# Altium PCB Port Solar Panel 2U.PcbDoc
Units mm, origin at the board's own origin, x right, y up, seen from the top; angles counter-clockwise.
Board outline 214 x 87 mm, 2 copper layers (Top Layer, Bottom Layer), stack 1.649 mm thick; 65 components, 44 nets, 230 pads, 774 vias.
Unrouted connection lines stored in the file: 33.
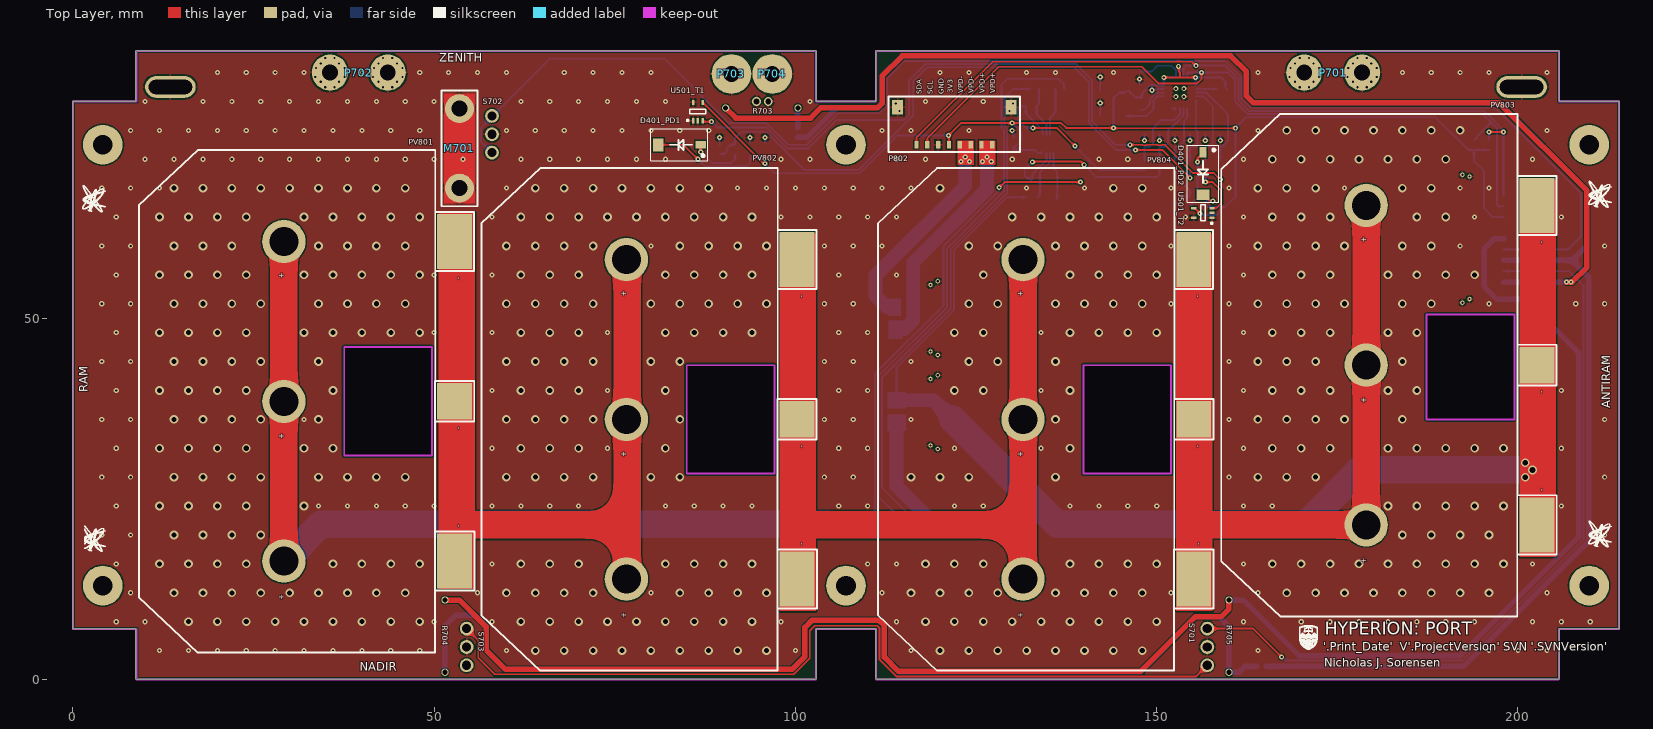
[diagram p0: Top Layer view]
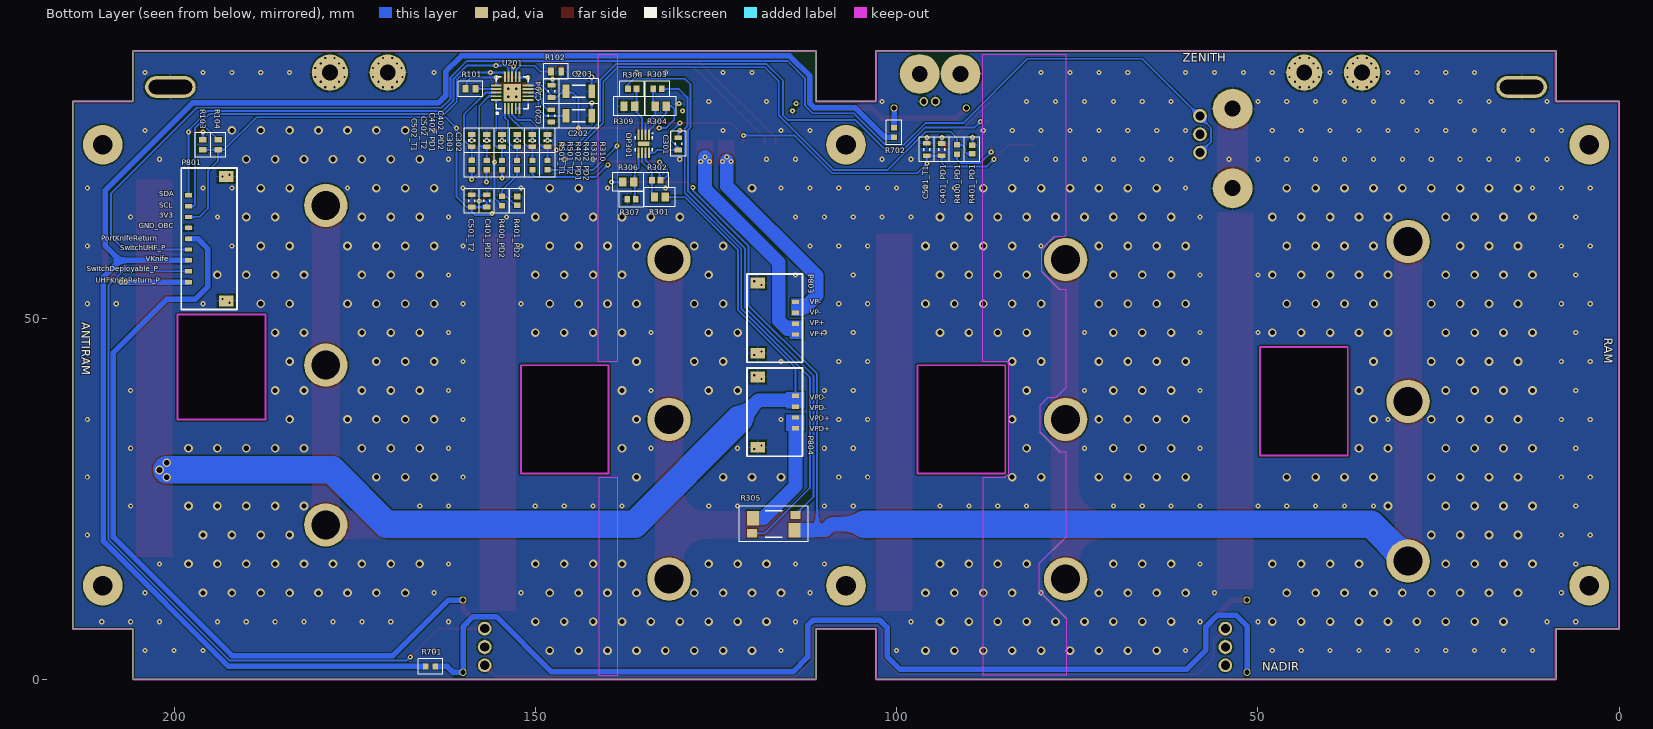
[diagram p1: Bottom Layer view, seen from below]

## Layer stack, top to bottom
Top Solder: solder mask 0.01, Solder Resist, Dk 3.5
Top Layer: signal copper 0.07
Dielectric 1: dielectric 1.509, FR-4, Dk 4.8
Bottom Layer: signal copper 0.07
Bottom Solder: solder mask 0.01, Solder Resist, Dk 3.5

## Board outline
0,7 8.7,7 8.7,0 102.85,0 102.85,7 111.15,7 111.15,0 205.7,0 205.7,7 214,7 214,80 205.697,80 205.697,87 111.15,87 111.15,80 102.85,80 102.85,87 8.7,87 8.7,80 0,80
cut-out: 49.7,46 37.55,46 37.55,31 49.7,31
cut-out: 199.5,50.5 187.35,50.5 187.35,36 199.5,36
cut-out: 152,43.5 139.85,43.5 139.85,28.5 152,28.5
cut-out: 97.1,43.5 84.95,43.5 84.95,28.5 97.1,28.5

## Design rules (kind name [scope] priority, off if disabled: settings)
BoardOutlineClearance [All] p1: gap=0.254 ignorepadtopadclearanceinfootprint=FALSE
Clearance Clearance_1 [(InComponent('P701') OR InComponent('P702')) AND InNet('V-') vs InNet('GND')] p1: gap=0.5 ignorepadtopadclearanceinfootprint=FALSE
Clearance [All] p2: gap=0.178 ignorepadtopadclearanceinfootprint=FALSE
HoleSize [All] p1: absolutevalues=TRUE maxlimit=6 minlimit=0.3 maxpercent=80.000 minpercent=20.000
MinimumAnnularRing [All] p1: minimumring=0.15
MinimumSolderMaskSliver [All] p1: minsoldermaskwidth=0.127
NetAntennae [NOT(InNet('VIN6'))] p1: netantennaetolerance=0
PolygonConnect [All] p1: connectstyle=Relief reliefconductorwidth=0.254 reliefentries=4 polygonreliefangle="90 Angle" airgapwidth=0.254
RoutingVias [All] p1: holewidth=0.3 width=0.7 viastyle="Through Hole" minholewidth=0.2 minwidth=0.4 maxholewidth=6 maxwidth=7 useviatemplates=TRUE viatemplateguid#1={2C96C0E9-6127-4474-AC62-79D40432663E} viatemplatename#1=v70h30m0mx0
SilkToSilkClearance [All] p1: silktosilkclearance=0
SilkToSolderMaskClearance [IsPad] p1: minsilkscreentomaskgap=0.025 clearancetoexposedcopper=TRUE
SolderMaskExpansion [All] p1: expansion=0.076 istentingtop=FALSE
Width [All] p1: maxlimit=10.16 minlimit=0.203 preferedwidth=0.254
25 further rules are at their usual default settings.

## Classes and differential pairs
channel class Temp_Sensor: T1 T2 T3
channel class Photodiode_Sun_Sensor: PD1 PD2 PD3
component class T2: C501_T2 C502_T2 R501_T2 U501_T2
component class T1: C501_T1 C502_T1 R501_T1 U501_T1
component class "Port 2U": R101 R102 R103 R104
component class "Port Headers": P801 P802 P803 P804
component class PD2: C401_PD2 C402_PD2 D401_PD2 R400_PD2 R401_PD2 R402_PD2
component class PD1: C401_PD1 C402_PD1 D401_PD1 R400_PD1 R401_PD1 R402_PD1
component class "Mechanical Interfacing": M701 P701 P702 P703 P704 R701 R702 R703 R704 R705 S701 S702 S703
component class "Current and Voltage Sensors": C301 C302 C303 OP301 R301 R302 R303 R304 R305 R306 R307 R308 R309 R310 R311
component class "Photovoltaic Array": PV801 PV802 PV803 PV804 Q101
net class VIN[0..7]: VIN0 VIN1 VIN2 VIN3 VIN4 VIN5 VIN6
component class "U_AD7291 12-Bit I2C ADC": C201 C202 C203 C204 U201

## Components (designator, comment, footprint, x,y, rotation, side; value= is the part's Value field where it differs from the comment)
C201 "Cap" TDK-CGA3E 147.766,78.006 r90 bottom value=1µF
C202 "Cap" TDK-CGA5L 143.966,78.006 r180 bottom value=10µF
C203 "Cap" TDK-CGA5L 143.966,81.406 r180 bottom value=10µF
C204 "Cap" TDK-CGA3E 147.756,81.406 r270 bottom value=0.1µF
C301 "Cap" TDK-CGA3E 130.188,74.141 r270 bottom value=0.1µF
C302 "Cap" TDK-CGA3E 148.309,74.58 r270 bottom value=680pF
C303 "Cap" TDK-CGA3E 150.409,74.58 r270 bottom value=680pF
C401_PD1 "Cap" TDK-CGA3E 93.758,73.341 r270 bottom value=0.1µF (schematic designator C401)
C401_PD2 "Cap" TDK-CGA3E 156.724,66.235 r270 bottom value=0.1µF (schematic designator C401)
C402_PD1 "Cap" TDK-CGA3E 154.609,74.58 r270 bottom value=680pF (schematic designator C402)
C402_PD2 "Cap" TDK-CGA3E 152.509,74.58 r270 bottom value=680pF (schematic designator C402)
C501_T1 "Cap" TDK-CGA3E 95.846,73.352 r270 bottom value=0.1µF (schematic designator C501)
C501_T2 "Cap" TDK-CGA3E 158.812,66.245 r270 bottom value=0.1µF (schematic designator C501)
C502_T1 "Cap" TDK-CGA3E 158.801,74.585 r270 bottom value=680pF (schematic designator C502)
C502_T2 "Cap" TDK-CGA3E 156.719,74.58 r270 bottom value=680pF (schematic designator C502)
D401_PD1 "PDB-C160SMCT-ND" PDB-C160SM 86.9,74 r180 top (schematic designator D401)
D401_PD2 "PDB-C160SMCT-ND" PDB-C160SM 156.4,72.971 r270 top (schematic designator D401)
M701 "2U UHF Saddle." 2U_ANTENNA_SADDLE 53.5,79 r270 top
OP301 "OPA2333" TI-DSG0008A 134.988,74.141 r270 bottom
P701 "Mounting_Hole" DEPHINGE_MOUNTING_HOLE_BODY 178.425,84 r180 top
P702 "Mounting_Hole" DEPHINGE_MOUNTING_HOLE_BODY 43.575,84 r180 top
P703 "Mounting_Hole" BURNWIRE_SCREW 91.15,83.8 r0 top
P704 "Mounting_Hole" BURNWIRE_SCREW 96.8,83.8 r0 top
P801 "WM10144CT-ND" MOLX-5040500991 198,61 r90 bottom
P802 "WM14421CT-ND" MOLX-5040500891 122,74 r180 top
P803 "WM10137CT-ND" MOLX-5040500491 114,50 r270 bottom
P804 "WM10137CT-ND" MOLX-5040500491 114,37 r270 bottom
PV801 "XTJPrime" "XTJ PRIME" 29.2,38.5 r270 top
PV802 "XTJPrime" "XTJ PRIME" 76.6,36 r270 top
PV803 "XTJPrime" "XTJ PRIME" 179,43.5 r270 top
PV804 "XTJPrime" "XTJ PRIME" 131.5,36 r270 top
R101 "Res3" VSH-0603MCT 158.968,81.732 r0 bottom value=10k
R102 "Res3" VSH-0603MCT 147.109,84.144 r180 bottom value=10k
R103 "Res3" VSH-0603MCT 196,74 r270 bottom value=10k
R104 "Res3" VSH-0603MCT 193.9,74 r270 bottom value=10k
R301 "0.1% 1/8W" PANA-ERA6A 132.763,66.745 r0 bottom value=1M
R302 "0.1% 1/10W 0603" PANA-ERA3A 133.263,69.095 r180 bottom value=154k
R303 "0.1% 1/10W 0603" PANA-ERA3A 133.088,81.734 r0 bottom value=2.4k
R304 "0.1% 1/8W" PANA-ERA6A 132.638,79.334 r180 bottom value=1M
R305 "Res Sense" VSH-2512R4C 117,21.5 r0 bottom value=0.01
R306 "0.1% 1/8W" PANA-ERA6A 137.138,68.841 r180 bottom value=1M
R307 "0.1% 1/10W 0603" PANA-ERA3A 136.688,66.441 r0 bottom value=154k
R308 "0.1% 1/10W 0603" PANA-ERA3A 136.588,81.734 r180 bottom value=2.4k
R309 "0.1% 1/8W" PANA-ERA6A 136.988,79.334 r0 bottom value=1M
R310 "Res3" PANA-ERJ3EK 148.309,71.18 r270 bottom value=100
R311 "Res3" PANA-ERJ3EK 150.409,71.18 r270 bottom value=100
R400_PD1 "Res3" PANA-ERJ3EK 91.652,73.347 r270 bottom value=9.09k (schematic designator R400)
R400_PD2 "Res3" PANA-ERJ3EK 154.618,66.24 r270 bottom value=9.09k (schematic designator R400)
R401_PD1 "0.1% 1/16W" PANA-ERA3A 89.556,73.348 r270 bottom value=24k (schematic designator R401)
R401_PD2 "0.1% 1/16W" PANA-ERA3A 152.522,66.241 r270 bottom value=24k (schematic designator R401)
R402_PD1 "Res3" PANA-ERJ3EK 154.609,71.18 r270 bottom value=100 (schematic designator R402)
R402_PD2 "Res3" PANA-ERJ3EK 152.509,71.18 r270 bottom value=100 (schematic designator R402)
R501_T1 "Res3" PANA-ERJ3EK 158.801,71.185 r270 bottom value=100 (schematic designator R501)
R501_T2 "Res3" PANA-ERJ3EK 156.72,71.18 r270 bottom value=100 (schematic designator R501)
R701 "Jumper" PANA-ERJ3G 164.5,1.8 r180 bottom value=0
R702 "Jumper" PANA-ERJ3G 100.35,75.7 r90 bottom value=0
R703 "Res3" VSH-CPF1 90.35,79.1 r0 top value=10
R704 "Res3" VSH-CPF1 51.5,11 r270 top value=10
R705 "Res3" VSH-CPF1 160,11 r270 top value=10
S701 "AV4424" PANA-AV4424 157,7.04 r270 top
S702 "AV4424" PANA-AV4424 58,78 r270 top
S703 "AV4424" PANA-AV4424 54.5,7.04 r270 top
U201 "AD7291" ADI-CP-20-8 153.209,81.222 r90 bottom
U501_T1 "TMP235AEDCKRQ1" TI-R-PDSO-G5 86.5,78.6 r90 top (schematic designator U501)
U501_T2 "TMP235AEDCKRQ1" TI-R-PDSO-G5 156.4,64.571 r180 top (schematic designator U501)

## Footprints (in the part's own frame and the unit in brackets; to place one, negate y for a bottom-side part, rotate by r counter-clockwise, add the part's x,y. Pads: shape width x height; smd on the part's side, far side on the other; paste and mask are expansions set on the pad)
2U_ANTENNA_SADDLE [mm] "2U saddle for attaching antenna to panel"
  round 4 / inner round 4 / far side round 5.5 hole 2.2: 1(0,0) 1(11,0)
  Top Layer region: -2.125,-2.125 13.125,-2.125 13.125,2.125 -2.125,2.125
  silkscreen extent -2.5,-2.5 13.5,2.5, body extent -2.25,-2.31 13.25,2.31, height 6.91
ADI-CP-20-8 [mm] "QFN, 20-Leads, Body 4.00x4.00mm, Pitch 0.50mm, Thermal Pad 2.55x2.55mm, IPC Low Density"
  rect 1.5x0.27 smd mask+0.038: 1(-2.2,1) 2(-2.2,0.5) 3(-2.2,0) 4(-2.2,-0.5) 5(-2.2,-1) 11(2.2,-1) 12(2.2,-0.5) 13(2.2,0) 14(2.2,0.5) 15(2.2,1)
  rect 0.27x1.5 smd mask+0.038: 6(-1,-2.2) 7(-0.5,-2.2) 8(0,-2.2) 9(0.5,-2.2) 10(1,-2.2) 16(1,2.2) 17(0.5,2.2) 18(0,2.2) 19(-0.5,2.2) 20(-1,2.2)
  rect 2.4x2.4 smd: 21(0,0)
  silkscreen extent -2.97,-2.2 2.2,2.2, body extent -2.07,-2.07 2.07,2.07, height 0.8
BURNWIRE_SCREW [mm]
  round 5.5 hole 2.2: 1(0,0)
  body extent -2.25,-2.31 2.25,2.31, height 2.15
DEPHINGE_MOUNTING_HOLE_BODY [mm]
  round 5 hole 2.2: 1(0,0) 1(8,0)
MOLX-5040500491 [mm]
  rect 0.6x1 smd: 1(-2.25,0) 2(-0.75,0) 3(0.75,0) 4(2.25,0)
  round 0.6 hole 0.3 mask+0.102: M1(-5.105,-5.7) M1(-4.605,-4.7) M2(4.605,-4.7) M2(5.105,-5.7)
  rect 1.5x2 smd: M1(-4.855,-5.2) M2(4.855,-5.2)
  silkscreen extent -6.1,-6.7 6.1,1, body extent -5.28,-8.2 5.28,0.39, height 2.01
MOLX-5040500891 [mm]
  rect 0.6x1 smd: 1(-5.25,0) 2(-3.75,0) 3(-2.25,0) 4(-0.75,0) 5(0.75,0) 6(2.25,0) 7(3.75,0) 8(5.25,0)
  round 0.7 hole 0.3 mask+0.102: M1(-8.105,-5.7) M1(-7.605,-4.7) M2(7.605,-4.7) M2(8.105,-5.7)
  rect 1.5x2 smd: M1(-7.855,-5.2) M2(7.855,-5.2)
  silkscreen extent -9.1,-6.7 9.1,1, body extent -8.28,-8.2 8.27,0.39, height 2.01
MOLX-5040500991 [mm]
  rect 0.6x1 smd: 1(-6,0) 2(-4.5,0) 3(-3,0) 4(-1.5,0) 5(0,0) 6(1.5,0) 7(3,0) 8(4.5,0) 9(6,0)
  round 0.6 hole 0.3 mask+0.102: M1(-8.855,-5.7) M1(-8.355,-4.7) M2(8.605,-4.7) M2(8.855,-5.7)
  rect 1.5x2 smd mask+0.102: M1(-8.605,-5.2) M2(8.605,-5.2)
  silkscreen extent -9.8,-6.7 9.8,1, body extent -9.02,-8.2 9.03,0.24, height 1.97
PANA-AV4424 [mm]
  round 1.905 hole 1.27: 1(2.54,0) 2(0,0) 3(5.08,0)
  body extent -1.21,-1.25 6.29,1.25, height 5.81
PANA-ERA3A [mm] "Chip Resistor, 2-Leads, Body 1.60x0.80mm, IPC High Density"
  rect 0.8x0.9 smd: 1(-0.6,0) 2(0.6,0)
  silkscreen extent -1.7,-1.05 1.7,1.05, body extent -0.9,-0.5 0.9,0.5, height 0.55
PANA-ERA6A [mm] "Chip Resistor, 2-Leads, Body 2.00x1.25mm, IPC High Density"
  rect 1x1.25 smd: 1(-0.75,0) 2(0.75,0)
  silkscreen extent -2.15,-1.3 2.15,1.3, body extent -1.1,-0.67 1.1,0.67, height 0.6
PANA-ERJ3EK [mm] "Chip Resistor, 2-Leads, Body 1.60x0.85mm, IPC High Density"
  rect 0.75x0.85 smd: 1(-0.65,0) 2(0.65,0)
  silkscreen extent -1.7,-1.05 1.7,1.05, body extent -0.88,-0.48 0.87,0.48, height 0.55
PANA-ERJ3G [mm] "Chip Resistor, 2-Leads, Body 1.60x0.85mm, IPC High Density"
  rect 0.75x0.85 smd: 1(-0.65,0) 2(0.65,0)
  silkscreen extent -1.7,-1.05 1.7,1.05, body extent -0.88,-0.48 0.87,0.48, height 0.55
PDB-C160SM [mm] "Photodiode"
  rect 1.45x1 smd: 1(0,0)
  rect 1.45x1.8 smd: 2(5.9,0)
  silkscreen extent -1,-2.2 6.9,2.2, body extent -0.29,-1.87 6.18,1.97, height 1.15
TDK-CGA3E [mm] "Chip Capacitor, 2-Leads, Body 1.60x0.80mm, IPC Low Density"
  rect 0.65x1.05 smd: 1(-0.85,0) 2(0.85,0)
  silkscreen extent -1.7,-1.05 1.7,1.05, body extent -0.85,-0.45 0.85,0.45, height 0.8
TDK-CGA5L [mm] "Chip Capacitor, 2-Leads, Body 3.20x1.60mm, IPC Low Density"
  rect 0.95x1.9 smd: 1(-1.775,0) 2(1.775,0)
  silkscreen extent -2.75,-1.7 2.75,1.7, body extent -1.7,-0.9 1.7,0.9, height 1.6
TI-DSG0008A [mm] "SON, 8-Leads, Body 2.00x2.00mm, Pitch 0.50mm, Thermal Pad 1.60x0.69mm, IPC Low Density"
  rect 1.4x0.27 smd mask+0.051: 1(-1.245,0.75) 2(-1.245,0.25) 3(-1.245,-0.25) 4(-1.245,-0.75) 5(1.245,-0.75) 6(1.245,-0.25) 7(1.245,0.25) 8(1.245,0.75)
  rect 0.6x1.6 smd mask+0.051: 9(0,0)
  silkscreen extent -1.5,-1.2 1.05,1.25, body extent -1.05,-1.05 1.05,1.05, height 0.8
TI-R-PDSO-G5 [mm] "SOT23, 5-Leads, Body 2.00x2.10mm, Pitch 0.65mm, IPC Low Density"
  rect 0.712x0.35 smd: 1(-1.266,0.65) 2(-1.266,0) 3(-1.266,-0.65) 4(1.266,-0.65) 5(1.266,0.65)
  silkscreen extent -1.35,-1.1 0.3,1.55, body extent -1.2,-1.07 1.2,1.08, height 1.1
VSH-0603MCT [mm] "Chip Resistor, 2-Leads, Body 1.55x0.85mm, IPC Low Density"
  rect 0.8x1.05 smd: 1(-0.7,0) 2(0.7,0)
  silkscreen extent -1.7,-1.05 1.7,1.05, body extent -0.8,-0.48 0.8,0.48, height 0.55
VSH-2512R4C [mm]
  rect 1.65x2.01 smd: 1(-2.855,0.835) 2(2.855,-0.835)
  rect 1.39x1.14 smd: 3(2.999,1.27) 4(-2.999,-1.27)
  silkscreen extent -4.8,-2.45 4.8,2.45, body extent -3.15,-1.55 3.15,1.55, height 0.61
VSH-CPF1 [mm] "RESISTOR METAL FILM 1W 1.00K OHM"
  round 1 hole 0.7: 1(0,0) 2(10,0)
  body extent -0.23,-1.13 10.28,1.19, height 3.81
"XTJ PRIME" [mil] "Spectrolab Solar Cell"
  round 236.22 hole 157.48: 1(-870.5,0) 1(0,0) 1(870.5,0)
  rect 300x190 smd: 2(-870.5,930) 2(870.5,930)
  rect 200x190 smd: 2(0,930)
  silkscreen extent -1369,-790 1369,1038, body extent -1357,-778 1356,1006, height 63

## Part data
C201: library part PC-TDK-02603, "CAP CER 1UF 25V X7R 0603", Manufacturer Part Number=CGA3E1X7R1E105K080AC, Supplier Part Number 1=445-6931-1-ND, Temperature Coefficient=X7R, Tolerance=±10%, Voltage - Rated=25V, Applications=Automotive, Index=2603, LatestRevisionDate=2016-03-16, LatestRevisionNote=..., PackageDescription="Radial Cap, Thru-Hole; 2 Leads; 0.3 in Pin Spacing", PackageReference="0603 (1608 Metric)", Part Number=PC-TDK-02603, Published=2016-03-16, Publisher=AlbertaSat, Supplier 1=Digi-key, Supplier Link=http://www.digikey.ca/product-search/en?keywords=445-6931-1-ND
C202 C203: library part PC-TDK-02917, "CAP CER 10UF 25V X7R 1206", Manufacturer Part Number=CGA5L1X7R1E106K160AC, Supplier Part Number 1=445-6990-1-ND, Temperature Coefficient=X7R, Tolerance=±10%, Voltage - Rated=25V, Applications=Automotive, Index=2917, LatestRevisionDate=3/16/2016, LatestRevisionNote=..., PackageDescription="Radial Cap, Thru-Hole; 2 Leads; 0.3 in Pin Spacing", PackageReference="1206 (3216 Metric)", Part Number=PC-TDK-02917, Published=3/16/2016, Publisher=AlbertaSat, Supplier 1=Digi-key, Supplier Link=http://www.digikey.ca/product-search/en?keywords=445-6990-1-ND
C204 C301 C401_PD1 C401_PD2 C501_T1 C501_T2: library part PC-TDK-02270, "CAP CER 0.1UF 25V X7R 0603", Manufacturer Part Number=CGA3E2X7R1E104M080AA, Supplier Part Number 1=445-12541-1-ND, Temperature Coefficient=X7R, Tolerance=±20%, Voltage - Rated=25V, Applications=Automotive, Index=2270, LatestRevisionDate=3/16/2016, LatestRevisionNote=..., PackageDescription="Radial Cap, Thru-Hole; 2 Leads; 0.3 in Pin Spacing", PackageReference="0603 (1608 Metric)", Part Number=PC-TDK-02270, Published=3/16/2016, Publisher=AlbertaSat, Supplier 1=Digi-key, Supplier Link=http://www.digikey.ca/product-search/en?keywords=445-12541-1-ND
C302 C303 C402_PD1 C402_PD2 C502_T1 C502_T2: library part PC-TDK-01433, "CAP CER 680PF 50V X7R 0603", Manufacturer Part Number=CGA3E2X7R1H681K, Supplier Part Number 1=445-6919-1-ND, Temperature Coefficient=X7R, Tolerance=±10%, Voltage - Rated=50V, Applications=Automotive, Index=1433, LatestRevisionDate=3/16/2016, LatestRevisionNote=..., PackageDescription="Radial Cap, Thru-Hole; 2 Leads; 0.3 in Pin Spacing", PackageReference="0603 (1608 Metric)", Part Number=PC-TDK-01433, Published=3/16/2016, Publisher=AlbertaSat, Supplier 1=Digi-key, Supplier Link=http://www.digikey.ca/product-search/en?keywords=445-6919-1-ND
D401_PD1 D401_PD2: library part PXX-ADP-00000, "SENSOR PHOTODIODE 850NM 2SMD GW", Manufacturer Part Number="Advanced Photonics", Index=1, LatestRevisionDate=3/28/2020, LatestRevisionNote=..., PackageReference=PIN2, Part Number=PXX-ADP-00000, Published=3/28/2020, Publisher=AlbertaSat, Supplier 1=Digi-key, Supplier Part Number 1=PDB-C160SMCT-ND
M701: library part PXX-ABS-00012, "Saddle for the UHF antennas to be seated in.", Manufacturer Part Number=Custom, Index=13, LatestRevisionNote=..., Part Number=PXX-ABS-00012, Publisher=AlbertaSat, Supplier 1=Digi-key
OP301: library part 73, "CMOS Amplifier 2 Circuit Rail-to-Rail 8-WSON (2x2)", Manufacturer Part Number=OPA2333PIDSGR, Operating Temperature="-55°C ~ 150°C", Supplier Part Number 1=296-51501-1-ND, Voltage - Supply="1.8V ~ 5.5V, ±0.9V ~ 2.75V", PackageReference="8-WFDFN Exposed Pad", Part Number=73, Supplier 1=Digi-Key, Supplier 2=Mouser, Supplier Link=#https://www.digikey.ca/product-detail/en/texas-instruments/OPA2333PIDSGR/296-51501-1-ND/9745865#, Supplier Part Number 2=595-OPA2333PIDSGR
P701 P702: library part PXX-ABS-00004, Manufacturer Part Number=Custom, Index=4, LatestRevisionNote=..., Part Number=PXX-ABS-00004, Publisher=AlbertaSat, Supplier 1=Digi-key
P703 P704: library part PXX-ABS-00015, Manufacturer Part Number=Custom, Index=15, LatestRevisionNote=..., Part Number=PXX-ABS-00015, Publisher=AlbertaSat, Supplier 1=Digi-key
P801: library part 68, "CONN HEADER SMD R/A 9POS 1.5MM", Manufacturer Part Number=5040500991, Supplier Part Number 1=WM25695CT-ND, LatestRevisionDate=17-Jul-2002, LatestRevisionNote="Re-released for DXP Platform.", Part Number=68, Publisher="Altium Limited", Supplier 1=Digi-Key, Supplier Link=#https://www.digikey.ca/product-detail/en/molex/5040500991/WM25695CT-ND/9954121#
P802: library part 67, "CONN HEADER SMD R/A 8POS 1.5MM", Manufacturer Part Number=5040500891, LatestRevisionDate=17-Jul-2002, LatestRevisionNote="Re-released for DXP Platform.", Part Number=67, Publisher="Altium Limited", Supplier 1=Digi-Key, Supplier Link=#https://www.digikey.ca/product-detail/en/molex/5040500891/WM14421CT-ND/6133151#, Supplier Part Number 1=WM14421CT-ND
P803 P804: library part 63, "CONN HEADER SMD R/A 4POS 1.5MM", Manufacturer Part Number=5040500491, LatestRevisionDate=17-Jul-2002, LatestRevisionNote="Re-released for DXP Platform.", Part Number=63, Publisher="Altium Limited", Supplier 1=Digi-Key, Supplier Link=#https://www.digikey.ca/product-detail/en/molex/5040500491/WM10137CT-ND/4357653#, Supplier Part Number 1=WM10137CT-ND
PV801 PV802 PV803 PV804: library part PBT-SPEC-00002, Manufacturer Part Number=Spectrolab, Supplier Part Number 1="UTJ CIC 26.26cm^2", Index=2, LatestRevisionNote=..., PackageReference="3-Connector Solar Cell", Part Number=PBT-SPEC-00002, Publisher=AlbertaSat, Supplier 1=Spectrolab
R101 R102 R103 R104: library part PR-VSH-00143, "RES SMD 10K OHM 1% 1/8W 0603", Manufacturer Part Number=MCT06030C1002FP500, Power - Rated=1/8W, Supplier Part Number 1=MCT0603-10.0K-CFCT-ND, Temperature Coefficient=±50ppm/°C, Tolerance=±1%, Applications="General Purpose", Index=143, LatestRevisionDate=3/14/2016, LatestRevisionNote=..., PackageDescription="Chip Resistor, 2-Leads, Body 1.55x0.85mm, IPC Low Density", PackageReference="0603 (1608 Metric)", Part Number=PR-VSH-00143, Published=3/14/2016, Publisher=AlbertaSat, Supplier 1=Digi-key, Supplier Link=http://www.digikey.ca/product-search/en?keywords=MCT0603-10.0K-CFCT-ND
R301 R304 R306 R309: library part 19706, "RES SMD 1M OHM 0.1% 1/8W 0805", Manufacturer Part Number=ERA-6AEB105V, Power="0.125W, 1/8W", Supplier Part Number 1=P1MDACT-ND, Temperature Coefficient=±25ppm/°C, Tolerance=±0.1%, LatestRevisionDate=29-May-2009, LatestRevisionNote="IPC-7351 Footprint Added.", PackageDescription="Chip Resistor, 2-Leads, Body 2.00x1.25mm, IPC Low Density", PackageReference="0805 (2012 Metric)", Part Number=19706, Published=8-Jun-2000, Publisher="Altium Limited", Supplier 1=Digi-Key, Supplier Link=http://www.digikey.ca/product-search/en?keywords=P1MDACT-ND
R302 R307: library part 18923, "RES SMD 154K OHM 0.1% 1/10W 0603", Manufacturer Part Number=ERA-3AEB1543V, Power="0.1W, 1/10W", Supplier Part Number 1=P154KDBCT-ND, Temperature Coefficient=±25ppm/°C, Tolerance=±0.1%, LatestRevisionDate=29-May-2009, LatestRevisionNote="IPC-7351 Footprint Added.", PackageDescription="Chip Resistor, 2-Leads, Body 1.60x0.80mm, IPC Low Density", PackageReference="0603 (1608 Metric)", Part Number=18923, Published=8-Jun-2000, Publisher="Altium Limited", Supplier 1=Digi-Key, Supplier Link=http://www.digikey.ca/product-search/en?keywords=P154KDBCT-ND
R303 R308: library part 16107, "RES SMD 2.4K OHM 0.1% 1/10W 0603", Manufacturer Part Number=ERA-3ARB242V, Power="0.1W, 1/10W", Supplier Part Number 1=P2.4KBDCT-ND, Temperature Coefficient=±10ppm/°C, Tolerance=±0.1%, LatestRevisionDate=29-May-2009, LatestRevisionNote="IPC-7351 Footprint Added.", PackageDescription="Chip Resistor, 2-Leads, Body 1.60x0.80mm, IPC Low Density", PackageReference="0603 (1608 Metric)", Part Number=16107, Published=8-Jun-2000, Publisher="Altium Limited", Supplier 1=Digi-Key, Supplier Link=http://www.digikey.ca/product-search/en?keywords=P2.4KBDCT-ND
R305: library part PR-VSH-00237, "RES SMD 0.01 OHM 0.1% 1W 2512", Manufacturer Part Number=Y14870R01000B9W, Power - Rated=1W, Supplier Part Number 1=Y1487-.01-ND, Temperature Coefficient=±15ppm/°C, Tolerance=±0.1%, Applications=Automotive, Index=237, LatestRevisionDate=2017-07-12, LatestRevisionNote=..., PackageReference=VSH-2512R4C, Part Number=PR-VSH-00237, Published=2017-07-12, Publisher=AlbertaSat, Supplier 1=Digi-key, Supplier Link=http://www.digikey.ca/product-search/en?keywords=Y1487-.01-ND
R310 R311 R402_PD1 R402_PD2 R501_T1 R501_T2: library part 14083, "RES SMD 100 OHM 1% 1/10W 0603", Manufacturer Part Number=ERJ-3EKF1000V, Power="0.1W, 1/10W", Supplier Part Number 1=P100HCT-ND, Temperature Coefficient=±100ppm/°C, Tolerance=±1%, LatestRevisionDate=29-May-2009, LatestRevisionNote="IPC-7351 Footprint Added.", PackageDescription="Chip Resistor, 2-Leads, Body 1.60x0.80mm, IPC Low Density", PackageReference="0603 (1608 Metric)", Part Number=14083, Published=8-Jun-2000, Publisher="Altium Limited", Supplier 1=Digi-Key, Supplier Link=http://www.digikey.ca/product-search/en?keywords=P100HCT-ND